# KiCad board Env-F12TKL.kicad_pcb (continued)
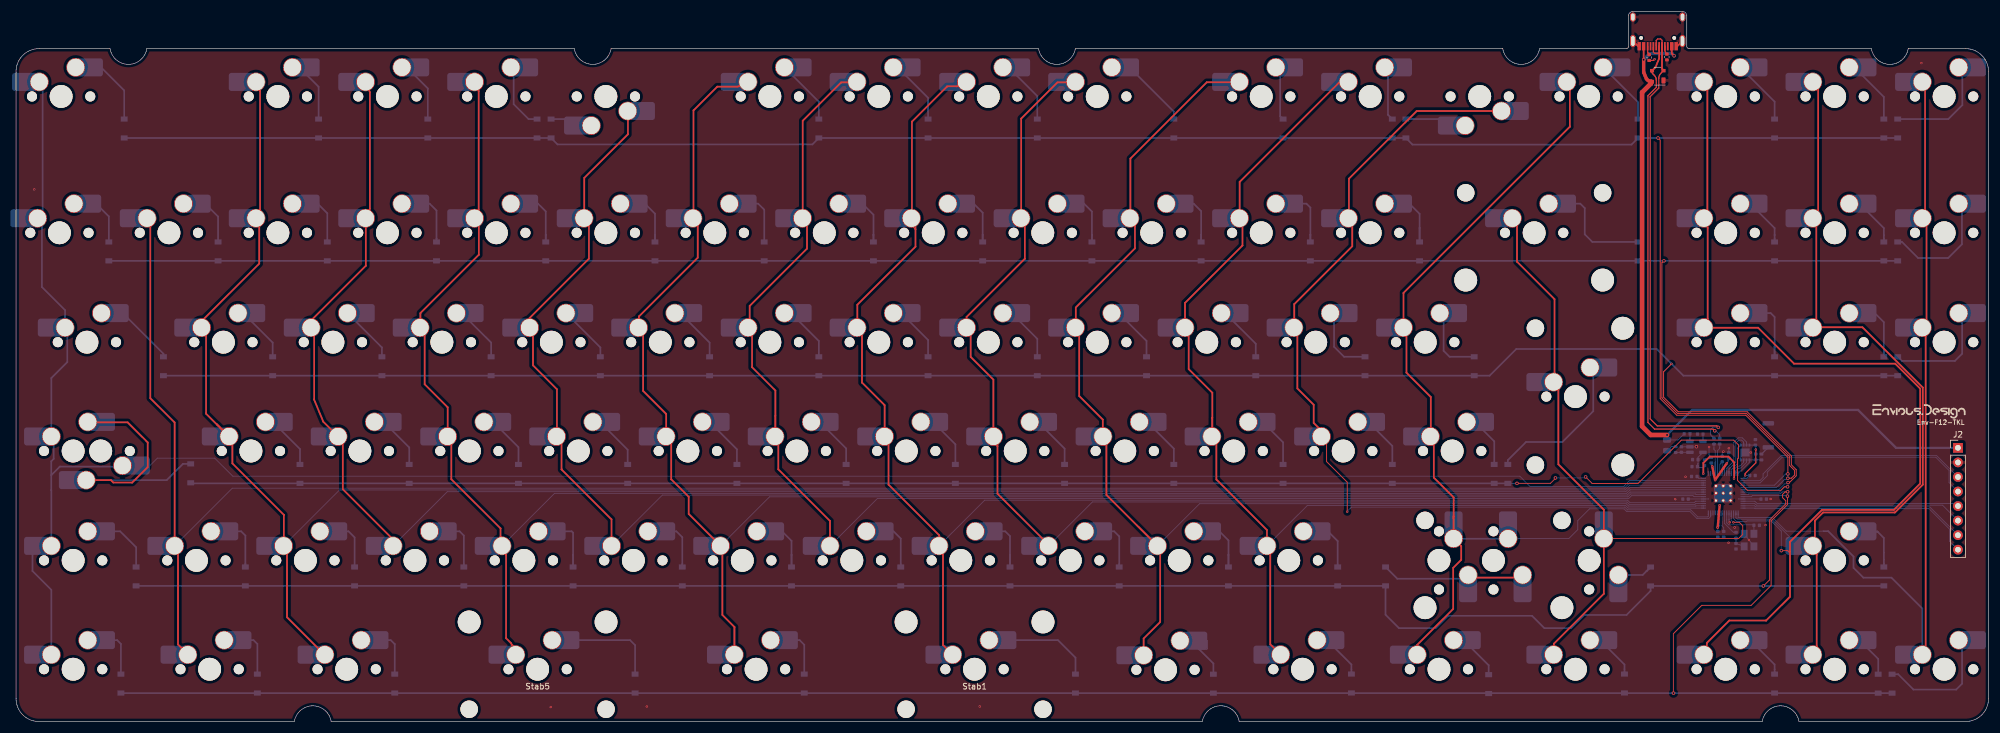
[diagram p0: board, top side]
## Nets (continued)
Net-(D_83-Pad2): D_83.2 K_83.2
Net-(D_84-Pad2): D_84.2 K_84.2
Net-(D_85-Pad2): D_85.2 K_85.2
Net-(D_86-Pad2): D_86.2 K_86.2
Net-(D_87-Pad2): D_87.2 K_87.2
Net-(D_88-Pad2): D_88.2 K_88.2
Net-(D_89-Pad2): D_89.2 K_92.2
Net-(D_90-Pad2): D_90.2 K_90.2
Net-(F1-Pad1): F1.1 FB1.1
Net-(R6-Pad2): R6.2 U2.47
Net-(R7-Pad2): R7.2 U2.46
Net-(R_USB1-Pad2): R_USB1.2 USB1.10
Net-(R_USB2-Pad2): R_USB2.2 USB1.4

Pads without a net: USB1 3 9

## Via types
v1: diameter 0.6, hole 0.35, Top to Bottom, 20 vias
v2: diameter 0.4, hole 0.2, Top to Bottom, 30 vias

## Routing (per net, layer and track width the routed paths; a pad name or vN(x,y) marks a point on that pad's centre or on a via; arc(x,y) is an arc through that point)
3V3_EN: length 2
  Bottom w0.15: 291.93,49.38 291.92,49.36 291.92,49.14 ; 291.93,49.38 291.93,48.92 ; 291.93,49.38 R4.1 ; 291.92,49.13 U1.3 291.92,49.14
+1V1: length 18.6
  Top w0.4: v2(298.37,45.12) v2(296.31,42.16) v2(295.81,44.56) ; v2(297.11,37.76) v2(296.76,33.86)
  Bottom w0.15: U2.45 295.94,44.43 v2(295.81,44.56) 295.66,44.71 C13.1 ; U2.23 297.14,34.23 v2(296.76,33.86) 296.78,33.83 C2.1 ; 298.57,45.57 298.57,45.84 ; 298.57,45.57 298.71,45.71 C3.1 ; 298.57,45.57 298.57,45.31 v2(298.37,45.12) 297.94,44.68 297.94,44.33 U2.50
+3V3: length 42.9
  Top w0.2: v2(303.41,47.48) 303.41,45.16 301.56,43.31 v2(301.56,42.96)
  Top w0.3: v2(299.61,42.43) 299.63,42.46 299.63,45.26 298.63,46.26 295.38,46.26 294.26,45.13 v2(294.26,43.28)
  Bottom w0.15: 303.41,47.97 v2(303.41,47.48) R8.1 ; 303.41,47.97 303.41,48.19 ; 303.41,47.97 303.34,48.04 C14.1 302.29,48.26 FLASH1.8 ; U2.1 301.86,42.46 302.35,42.96 v2(301.56,42.96) ; 293.34,45.07 293.24,44.97 C4.1 ; 293.34,45.07 C11.1 293.34,46.15 293.77,46.58 ; 293.34,45.07 293.34,44.41 293.41,44.33 294.36,44.33 ; 297.54,45.33 297.14,44.93 U2.48 ; 297.54,45.33 U2.49 ; 297.54,45.33 C6.1 ; 301.17,38.86 304.27,38.86 C8.1 ; 301.17,38.86 300.4,38.86 300.38,38.88 ; 301.17,38.86 U2.10 ; 293.77,46.58 U1.5 293.77,46.58 ; 295.18,38.88 295.17,38.86 U2.33 291.67,38.86 C7.1 ; U2.22 297.54,34.16 297.81,33.88 C10.1 ; 293.16,42.78 293.48,42.46 U2.42
GND: length 17.4
  Top w0.2: v2(285.76,115.63) 285.55,115.42 R_USB1.1
  Top w0.3: USB1.13 289.7,117.9 289.52,117.9 ; USB1.12 282.89,117.9 USB1.13
  Bottom w0.15: C6.2 297.56,46.93 v2(297.76,47.13) ; FLASH1.4 300.79,46.23 301.54,46.98 FLASH1.9 302.54,46.98 v2(302.55,46.97) ; Y1.4 v2(302.22,31.7) 303.08,30.58 ; C1.2 291.93,47.97 ; 295.47,45.93 294.73,45.93 C12.2 ; C13.2 295.26,46.52 v2(295.26,47.93) ; 298.71,46.94 v2(298.71,47.73) ; 298.74,35.3 298.74,35.3 ; 298.74,35.3 U2.19 ; 298.74,35.3 298.74,34.93 v2(298.89,34.78)
  vias: v1(293.06,47.98) v2(3.18,92.91) v2(93.26,2.53) v2(110.02,2.62) v2(168.06,2.63) v2(289.36,38.83) v2(291.16,42.73) v2(298.66,31.21) v2(299.71,33.88) v2(305.11,34.31) v2(306.01,38.86) v2(332.3,114.96)
VBUS: length 140.1
  Top w0.15: 285.15,111.73 D18.4
  Top w0.3: USB1.2 288.75,116.64 v1(289.16,116.23) ; USB1.11 283.85,115.54 v1(283.86,115.53)
  Top w0.6: v1(283.86,115.53) 283.86,113.35 284.33,112.21 284.63,111.91 285.06,111.73 285.15,111.73
  Top w0.8: 285.15,111.73 285.2,111.62 285.08,111.35 283.58,109.84 283.58,51.54 285.08,50.03 v1(287.93,50.03)
  Bottom w0.15: v1(287.93,50.03) F1.2 289.84,49.16 R4.2
  Bottom w0.4: v1(287.93,50.03) 292.3,54.4 321.24,54.4 327.86,47.78 J2.1
  Bottom w0.6: v1(289.16,116.23) 288.76,116.63 284.96,116.63 v1(283.86,115.53)
/GPIO0: length 41.2
  Bottom w0.15: U2.2 304.13,42.06 304.69,42.62 304.69,43.24 307.89,46.44 334.93,46.44 J2.3
/GPIO1: length 43.4
  Bottom w0.15: J2.4 337.12,41.71 337.12,43.83 334.81,46.14 308.01,46.14 305.42,43.54 305.42,42.92 304.16,41.66 U2.3
/GPIO8: length 37.8
  Bottom w0.15: J2.5 338.22,38.07 303.64,38.07 303.25,38.46 U2.11
/GPIO9: length 38.7
  Bottom w0.15: J2.6 335.98,37.77 303.52,37.77 303.22,38.06 U2.12
/GPIO10: length 39.6
  Bottom w0.15: U2.13 303.2,37.66 303.39,37.47 333.74,37.47 J2.7
/GPIO11: length 41.7
  Bottom w0.15: U2.14 303.18,37.26 303.27,37.17 333.62,37.17 337.2,33.59 337.2,31.47 J2.8
/QSPI_SCLK: length 8.6
  Bottom w0.15: 298.74,43.7 U2.52 298.74,43.7 ; 298.74,43.7 298.74,44.09 299.91,45.27 299.91,48.58 300.46,49.13 300.96,49.13 301.29,48.8 301.29,48.67 ; 301.29,48.67 301.29,48.53 ; 301.29,48.67 FLASH1.6
/QSPI_SD0: length 5.6
  Bottom w0.15: U2.53 299.14,44 300.26,45.12 300.26,47.73 FLASH1.5
/QSPI_SD1: length 3.8
  Bottom w0.15: 299.94,43.55 299.94,43.81 300.36,44.23 300.77,44.23 301.79,45.25 301.79,45.36 ; 299.94,43.55 U2.55 299.94,43.55 ; 301.79,45.36 301.79,45.47 ; 301.79,45.36 FLASH1.2
/QSPI_SD2: length 3.8
  Bottom w0.15: FLASH1.3 301.29,45.36 301.29,45.36 ; 301.29,45.36 301.29,45.25 300.63,44.58 300.21,44.58 299.54,43.9 299.54,43.6 ; 301.29,45.36 301.29,45.47 ; 299.54,43.6 U2.54 299.54,43.6
/QSPI_SD3: length 9.9
  Bottom w0.15: 298.34,43.74 U2.51 298.34,43.74 ; 298.34,43.74 298.34,44.19 299.56,45.41 299.56,48.73 300.36,49.53 301.06,49.53 301.79,48.8 301.79,48.67 ; 301.79,48.67 FLASH1.7 ; 301.79,48.67 301.79,48.53
/QSPI_SS: length 5.5
  Bottom w0.15: FLASH1.1 302.3,45.68 R8.2 R9.1 ; FLASH1.1 302.29,45.47 ; FLASH1.1 302.29,45.47 302.29,45.47 ; 302.29,45.47 302.29,45.26 U2.56
/USB_D+: length 83.9
  Top w0.15: D18.3 285.31,113.43
  Top w0.2: v1(296.26,50.76) 295.95,51.06 285.75,51.06 284.59,52.23 284.59,109.26 286.06,110.73 286.06,111.95 286.06,112.05 286.03,112.25 285.96,112.44 285.87,112.62 285.75,112.78 285.68,112.86 285.45,113.09 285.41,113.14 285.34,113.25 285.31,113.37 285.31,113.43 ; 286.55,116.67 285.77,116.67 285.55,116.89 USB1.8 ; 286.55,117.23 USB1.6
  Top w0.3: USB1.6 286.55,115.75 285.93,114.25 D18.3
  Bottom w0.15: 297.11,49.95 297.11,49.79 ; 297.11,49.95 R6.1 ; 297.11,49.95 297.11,50.11 296.46,50.76 v1(296.26,50.76)
/USB_D-: length 86.6
  Top w0.15: USB1.5 287.05,118.28 287.06,118.29 ; 287.11,113.92 287.31,113.72 D18.2 287.18,113.5
  Top w0.2: USB1.7 286.05,118.92 286.31,119.18 286.81,119.18 287.06,118.93 287.06,117.9 ; v1(296.86,51.36) 296.6,51.62 286.22,51.62 284.99,52.85 284.99,109.09 286.49,110.59 286.49,112.34 286.52,112.56 286.59,112.77 286.69,112.96 286.82,113.14 286.9,113.22 287.18,113.5
  Top w0.3: 287.18,113.76 287.05,114.08 USB1.5
  Bottom w0.15: R7.1 295.81,49.77 295.81,49.77 ; R7.1 295.81,49.77 ; R7.1 295.81,49.77 ; 295.81,49.77 295.51,50.07 295.51,51.01 295.93,51.43 296.79,51.43 v1(296.86,51.36)
/~{USB_BOOT}: length 2.5
  Bottom w0.15: 304.44,46.7 305.02,47.28 ; 305.02,47.28 J1.1 ; 305.02,47.28 304.99,47.28 R9.2
col0: length 401.6
  Bottom w0.15: U2.41 281.4,42.06 280.37,41.03 264.06,41.03 262.26,42.83 37.8,42.83 34.65,45.98 24.64,45.98 23.35,44.69 K_51.1 ; 4.35,30.67 K_65.1 ; 4.63,110.55 4.05,111.14 K_0.1 ; K_17.1 3.77,87.87 4.51,87.13
  Bottom w0.3: 4.63,111.02 4.63,88.59 3.92,87.87 3.76,87.87 ; K_65.1 6.15,40.39 6.13,40.41 6.13,43.01 ; 4.51,87.11 4.51,75.86 8.55,71.82 K_34.1 8.93,68.39 8.93,62.76 6.15,59.97 K_52.1 6.56,49.36 6.56,45.86 6.13,45.43 6.13,43.01 ; 4.51,87.11 4.51,87.13 ; 4.51,87.11 K_17.1 ; 6.13,43.01 7.63,44.51 18.38,44.51 K_51.1 ; 4.35,30.67 2.86,29.18 2.86,26.28 6.15,22.99 K_79.1
col1: length 351.6
  Top w0.15: 28.11,29.55 28.11,30.51 27.66,30.97 ; K_18.1 22.85,87.08 22.89,87.04 ; 30.01,11.7 29.98,11.67 K_80.1 ; 27.66,30.81 27.65,30.8 K_66.1
  Top w0.3: 28.11,29.55 28.23,29.43 28.23,13.47 30.01,11.7 ; 27.66,30.65 27.66,52.21 23.41,56.46 23.41,86.52 22.89,87.04 22.89,87.8
  Bottom w0.15: K_66.1 37.71,40.73 280.49,40.73 281.42,41.66 U2.40
col2: length 371.3
  Top w0.15: K_53.1 37.73,49.19 37.73,49.14 ; K_67.1 46.67,30.65 46.71,30.65 46.71,29.87 46.71,29.86 ; 42.25,88.54 41.85,88.14 K_19.1 ; 32.42,68.52 32.35,68.6 K_35.1 ; 42.25,110.86 41.85,111.26 K_1.1 ; K_81.1 53.82,11.64
  Top w0.3: 41.94,111.61 42.56,110.12 42.56,89.28 41.94,87.8 ; 46.71,30.65 46.71,36.09 37.73,45.06 37.73,49.14 ; 32.35,68.68 32.42,68.75 32.42,69.96 42.41,79.95 42.41,86.67 ; 32.42,68.74 32.42,68.52 33.13,67.81 33.13,53.74 35.01,51.87 ; 42.41,86.67 41.85,87.23 K_19.1 ; 42.41,86.67 42.41,87.06 ; 35.01,51.87 36.63,50.25 ; 35.01,51.87 35.05,51.87 K_53.1 ; 53.82,11.64 47.26,18.2 47.26,29.31 46.71,29.86 46.71,30.64
  Bottom w0.15: K_67.1 56.41,40.43 280.62,40.43 281.45,41.26 U2.39
col3: length 325.2
  Top w0.15: 56.98,48.56 56.23,49.32 56.23,49.7 ; K_36.1 51.64,68.96 51.68,68.96 ; 60.99,111.61 60.99,111.63 K_2.1 ; 51.98,68.23 51.98,68.45 51.58,68.85 ; K_20.1 60.95,87.84 60.99,87.8 60.99,87.04 61,87.04 ; K_54.1 56.15,49.77
  Top w0.3: 60.99,87.8 61.71,89.53 61.71,109.87 60.99,111.61 ; 56.23,49.7 56.15,49.77 53.58,52.35 51.98,56.2 51.98,68.23 ; 51.47,68.75 51.68,68.96 51.68,70.26 61,79.57 61,87.79 ; 56.98,48.94 56.98,40.56 65.76,31.79 65.76,30.67 K_68.1
  Bottom w0.15: K_68.1 75.21,40.13 280.74,40.13 281.47,40.86 U2.38
col4: length 329.5
  Top w0.15: 80.04,111.61 79.98,111.67 K_3.1 ; K_5.1 87.15,12.86 86.32,13.68 ; 80.71,86.71 80.04,87.37 80.04,87.8 79.97,87.87 K_21.1 ; 70.52,68.85 71.26,68.11 71.26,68.01 ; 84.81,30.65 84.78,30.67 K_69.1 84.75,32.03 84.49,32.28 ; 70.52,68.8 70.48,68.8 K_37.1 ; 75.28,50.58 75.28,49.8 K_55.1 75.25,49.28 75.91,48.62
  Top w0.3: 84.81,31.53 84.49,32.28 84.49,33.72 75.91,42.31 75.91,49.07 ; 80.71,87.13 80.71,81.51 70.52,71.32 70.52,68.75 ; 75.28,50.58 75.28,54.86 71.26,58.88 71.26,68.01 ; 87.19,11.59 86.32,13.68 85.46,14.55 85.46,29.07 84.81,30.65 ; 80.04,111.61 80.68,110.05 80.68,89.35 80.04,87.8
  Bottom w0.15: U2.37 281.49,40.46 280.86,39.83 93.91,39.83 K_69.1
col5: length 288.2
  Top w0.15: K_4.1 106.71,106.55 106.71,106.53 ; 95.13,48.89 95.13,49.43 94.33,50.24 ; K_22.1 99.05,87.84 99.09,87.8 99.09,87.45 99.91,86.63 ; K_38.1 89.55,68.94 89.57,68.96 ; K_56.1 94.25,49.89 94.33,49.97 ; 103.86,31.84 103.85,31.83 K_70.1 ; 90.16,68.16 90.16,68.58 89.57,69.17
  Top w0.3: 99.91,86.98 99.91,80.81 89.57,70.47 89.57,68.75 ; 103.86,31.84 103.86,30.65 ; 94.33,49.7 94.33,58.01 90.16,62.18 90.16,68.16 ; 99.09,87.8 99.09,94.92 106.71,102.53 106.71,106.53 ; 95.13,48.89 95.13,44.01 103.85,35.29 K_70.1
  Bottom w0.15: K_70.1 112.71,39.53 280.99,39.53 281.52,40.06 U2.36
col6: length 302.4
  Top w0.15: 125.82,110.85 126.82,110.85 K_6.1 ; 125.3,16.49 125.25,16.44 K_82.1 ; K_39.1 108.57,68.75 108.62,68.75 108.62,68.75 109.36,68.01 ; 118.14,87.92 118.1,87.92 K_23.1 ; 113.38,51.2 113.35,51.17 K_57.1 113.35,49.41 114.26,48.5 ; 118.88,87.06 118.88,87.31 118.14,88.05 ; K_71.1 122.87,30.69
  Top w0.3: 118.88,87.06 118.88,80.98 108.62,70.72 108.62,68.75 ; 118.14,87.92 118.14,106.69 122.3,110.85 125.82,110.85 127.67,111.61 ; 125.3,11.6 125.3,16.49 123.18,18.61 123.18,30.37 122.87,30.69 117.31,36.24 117.31,39.24 114.26,42.29 114.26,48.82 ; 113.38,49.7 113.38,53.71 109.36,57.73 109.36,68.01
  Bottom w0.15: U2.35 292.98,39.66 292.9,39.74 281.62,39.74 281.11,39.23 131.41,39.23 K_71.1
col7: length 259.4
  Top w0.15: 128.36,68.06 128.36,68.06 K_40.1 127.65,69.9 127.95,70.2 ; 146.68,111.59 146.68,111.64 K_7.1 ; 132.43,53.45 132.35,53.37 K_58.1 ; 137.93,86.67 137.19,87.41 137.19,87.8 137.15,87.84 K_24.1 ; 132.93,49.19 132.43,49.7 ; K_72.1 141.95,32.01 141.96,32.01
  Top w0.3: 137.19,87.8 137.19,104.89 143.9,111.59 146.68,111.59 ; 137.93,87.06 137.93,82.56 127.95,72.57 127.95,70.2 127.67,69.53 ; 132.93,49.19 132.93,44.03 141.96,35.01 141.96,30.65 ; 132.43,49.7 132.43,57.79 128.36,61.86 128.36,68.06
  Bottom w0.15: U2.34 292.63,39.26 292.45,39.44 281.74,39.44 281.24,38.93 150.21,38.93 K_72.1
col8: length 257.4
  Top w0.15: 156.86,85.94 156.24,86.55 156.24,87.8 156.22,87.8 K_25.1 ; 160.98,30.67 160.98,31.94 161.01,31.97 ; 160.98,30.67 161.01,30.65 ; 160.98,30.67 K_73.1 ; 152.16,48.6 151.48,49.28 151.48,49.7 151.45,49.73 K_59.1 ; 147.53,67.93 146.72,68.75 146.72,68.75 146.67,68.75 K_41.1 ; 164.08,110.91 164.99,110.91 K_8.1
  Top w0.3: 146.72,68.75 146.72,72.77 156.86,82.91 156.86,87.18 ; 152.16,49.02 152.16,41.36 161.01,32.51 161.01,31.97 ; 147.53,67.93 147.53,59.18 151.48,55.24 151.48,49.7 ; K_92.1 161.66,13.36 161.66,29.07 161.01,30.65 ; 165.77,111.61 164.08,110.91 162.41,110.91 156.24,104.74 156.24,87.8
  Bottom w0.15: U2.32 292.92,38.46 292.67,38.21 281.48,38.21 281.06,38.63 168.91,38.63 K_73.1
col9: length 218.8
  Top w0.15: K_26.1 175.27,87.86 175.29,87.86 ; 180.06,31.61 180.05,31.61 K_74.1 ; 175.93,87.15 175.29,87.79 175.29,87.8 ; K_9.1 184.78,111.64 184.78,111.59 ; 165.77,68.97 165.75,68.95 K_42.1 166.48,68.04 166.48,68.03 ; K_60.1 170.45,48.77 171.16,48.06
  Top w0.3: 184.78,111.59 181.62,111.59 175.29,105.27 175.29,87.8 ; 180.06,31.61 180.06,30.65 ; 171.16,49.07 171.16,49.06 ; 171.16,49.06 171.16,39.78 180.05,30.89 K_74.1 ; 171.16,49.06 K_60.1 170.45,59.69 166.48,63.66 166.48,68.03 ; 165.77,68.97 165.77,70.64 175.93,80.81 175.93,87.16
  Bottom w0.15: K_74.1 187.71,38.33 280.93,38.33 281.35,37.91 292.8,37.91 292.95,38.06 U2.31
col10: length 232.4
  Top w0.15: 184.82,69.96 184.79,69.93 184.79,68.77 ; 212.35,111.61 212.41,111.67 K_10.1 ; K_75.1 199.05,30.7 195.46,34.29 ; 189.58,49.7 190.16,49.12 ; 184.79,68.77 185.41,68.16 ; 184.79,68.77 K_43.1 ; K_27.1 194.32,87.8 194.34,87.8 194.34,87.43 195.13,86.64 ; K_61.1 189.53,49.75
  Top w0.2: 199.11,30.65 195.46,34.29
  Top w0.3: 185.41,68.16 185.41,56.83 189.53,52.71 189.53,49.75 189.58,49.7 ; K_91.1 196.65,14.5 199.53,17.38 199.53,30.22 199.11,30.65 ; 190.16,49.12 190.16,39.56 K_75.1 ; 194.34,87.8 194.34,98.29 207.66,111.61 212.35,111.61 ; 195.13,87.01 195.13,82.61 184.82,72.29 184.82,69.96
  Bottom w0.15: U2.30 292.97,37.66 292.92,37.61 281.23,37.61 280.81,38.03 206.41,38.03 K_75.1
col11: length 206.8
  Top w0.15: 208.63,53.06 208.55,52.98 K_62.1 ; 213.88,86.79 213.39,87.28 213.39,87.8 213.35,87.84 K_28.1 ; K_11.1 232.38,111.64 232.38,111.59 ; K_44.1 203.85,68.77 203.87,68.75 203.87,68.28 204.51,67.64 ; 209.33,48.99 208.63,49.7 ; 218.76,29.56 218.15,30.17 K_76.1 218.15,31.9 218.16,31.9
  Top w0.3: 232.38,111.59 230.77,111.59 213.39,94.22 213.39,87.8 ; 204.51,68.11 204.51,61.53 208.63,57.41 208.63,49.7 ; 218.76,30.04 218.76,29.56 218.73,29.54 218.73,13.49 K_83.1 ; 218.16,31.9 218.16,30.65 ; K_76.1 218.15,33.44 209.33,42.26 209.33,48.99 ; 213.88,87.31 213.88,83.11 203.87,73.09 203.87,68.75
  Bottom w0.15: U2.29 281.15,37.26 280.68,37.73 225.21,37.73 K_76.1
col12: length 163.9
  Top w0.15: K_45.1 222.87,68.79 ; 222.87,68.79 223.46,68.21 ; 222.87,68.79 222.92,68.84 222.92,69.57 ; v2(232.16,36.63) 232.16,41.78 228.56,45.38 228.56,48.86 K_63.1 227.65,50.73 227.68,50.76 ; 233.03,87.18 232.45,87.76 232.45,87.82 232.41,87.87 K_29.1
  Top w0.3: 222.92,69.57 222.92,72.87 233.03,82.98 233.03,87.21 ; 227.68,49.7 227.68,50.76 226.31,52.13 226.31,55.31 223.46,58.16 223.46,68.21 ; 232.44,87.8 232.45,87.82 232.45,94.78 242.46,104.78 244.27,106.59 K_12.1
  Bottom w0.15: v2(232.16,36.63) 232.16,36.68 232.91,37.43 280.56,37.43 281.03,36.96 292.05,36.96 293.28,35.73 295.01,35.73 295.14,35.86 U2.28
col13: length 174.1
  Top w0.15: K_64.1 246.72,49.7 246.73,49.7 247.26,49.17 247.26,48.42 ; K_46.1 241.95,68.77 241.97,68.75 241.97,68.22 242.48,67.71 ; K_89.1 250.7,35.5 250.72,35.52 ; K_13.1 270.48,111.67 270.54,111.61
  Top w0.3: 250.72,35.84 250.72,39.12 247.26,42.58 247.26,48.42 ; 250.72,35.84 250.72,35.52 ; 250.72,35.84 250.7,35.82 K_89.1 252.03,30.61 252.03,28.23 250.63,26.83 250.63,19.66 244.35,13.37 K_84.1 ; 270.54,111.61 270.98,111.17 270.98,103.86 241.97,74.84 241.97,68.75 ; 242.48,68.23 242.48,60.91 246.73,56.66 246.73,49.7
  Bottom w0.15: K_89.1 250.72,31.92 250.72,31.9 ; 260.16,31.9 K_77.1 270.8,31.94 272.36,33.5 272.36,35.08 274.41,37.13 280.43,37.13 280.9,36.66 291.93,36.66 293.16,35.43 295.19,35.43 295.54,35.78 U2.27
  Bottom w0.2: 295.54,35.99 U2.27
  Bottom w0.3: 260.19,31.9 250.72,31.9
col14: length 117
  Top w0.15: 261.76,87.06 261.76,87.06 K_30.1 ; 268.19,11.65 268.17,11.67 K_85.1 ; v2(299.51,34.78) 300.53,34.78 301.13,34.18 301.13,32.67 300.4,31.94 K_90.1 276.9,31.92 276.91,31.91
  Top w0.3: 261.76,87.06 261.76,80.29 268.31,73.74 268.31,59.43 K_47.1 268.98,58.44 268.98,44.91 276.91,36.98 276.91,22.31 268.19,13.59 268.19,11.65
  Bottom w0.15: v2(299.51,34.78) 299.14,35.16 U2.18
  Bottom w0.2: 299.14,35.79 U2.18
col15: length 175.3
  Top w0.15: K_31.1 294.37,87.87 294.38,87.86 ; K_48.1 294.46,68.88 294.68,68.88 294.68,69.54 294.69,69.55 ; 294.36,111.61 294.36,111.67 K_14.1 ; 294.87,12.84 294.87,12.19 K_86.1 ; 309.37,29.62 309.19,29.62 308.98,29.84 v1(307.86,29.84)
  Top w0.3: 294.87,12.84 294.87,13.72 298.78,17.63 305.21,17.63 309.37,21.79 309.37,31.37 314.96,36.96 327.5,36.96 332.08,41.54 332.08,58.12 327.72,62.48 310.08,62.48 303.81,68.76 294.81,68.76 294.68,68.88 ; 294.36,68.75 295.02,70.35 295.02,86.19 294.36,87.8 294.38,87.86 294.97,89.28 294.97,110.13 294.36,111.61
  Bottom w0.15: v1(307.86,29.84) 307.86,29.83 307.86,33.26 306.09,35.03 301.91,35.03 301.78,34.91 300.08,34.91 299.54,35.46 U2.17
  Bottom w0.2: 299.54,36.03 U2.17
col16: length 147.7
  Top w0.15: 313.96,69.46 313.61,69.11 313.61,68.83 313.41,68.83 K_49.1 ; 313.96,87.24 313.96,87.26 313.42,87.81 ; K_78.1 313.35,30.26 313.72,29.89 ; 314.28,110.41 313.35,111.34 K_15.1 ; K_87.1 313.39,11.67 313.42,11.64 ; 313.42,87.81 314.28,88.68 ; 313.42,87.81 K_32.1
  Top w0.3: 313.42,11.64 314.03,13.11 314.03,29.13 313.72,29.89 313.72,35.08 315.15,36.51 327.68,36.51 332.53,41.36 332.53,58.31 322.01,68.83 313.61,68.83 ; 313.96,69.3 313.96,87.24 ; 314.28,110.73 314.28,88.68
  Bottom w0.15: K_78.1 310.87,30.67 306.21,35.33 300.21,35.33 299.94,35.61 U2.16
  Bottom w0.2: 299.94,36.15 299.94,36.15 U2.16
col17: length 150
  Top w0.15: 332.93,110.29 332.45,110.78 K_16.1 ; 332.75,68.05 332.45,68.34 K_50.1 332.48,68.77 333.18,69.48 ; 332.93,88.95 332.93,88.36 K_33.1 332.45,87.41 333.18,86.68
  Top w0.3: 333.18,69.48 333.18,87.07 ; 332.46,68.75 332.75,68.05 333.03,67.35 333.03,12.99 ; 332.93,110.51 332.93,88.95
  Bottom w0.15: U2.15 300.34,35.66 300.36,35.63 306.33,35.63 308.73,33.24 315.24,33.24
  Bottom w0.3: 315.24,33.24 316.03,33.24 320.46,28.81 320.46,26.83 322.17,25.12 327.07,25.12 332.45,19.74 K_88.1
row0: length 394.9
  Top w0.15: v1(309.01,43.23) 309.01,46.13 301.66,53.48 289.64,53.48 286.73,56.38 286.73,101.51 v1(286.36,101.88)
  Bottom w0.15: U2.4 306.67,41.26 308.63,43.23 v1(309.01,43.23)
  Bottom w0.2: 301.17,41.26 U2.4
  Bottom w0.3: D_0.1 D_1.1 D_2.1 D_3.1 D_4.1 94.43,100.76 138.88,100.76 D_6.1 D_7.1 D_8.1 D_9.1 D_10.1 D_11.1 D_12.1 243.53,100.73 281.73,100.73 D_13.1 v1(286.36,101.88) D_14.1 D_15.1 D_16.1
row1: length 376
  Top w0.15: v1(287.38,80.43) 287.03,80.08 287.03,56.51 289.76,53.78 301.78,53.78 309.31,46.25 309.31,44.7 310.16,43.86 310.16,43.03 309.61,42.48 v1(309,42.48)
  Bottom w0.15: v1(309,42.48) 308.78,42.25 308.41,42.25 307.02,40.86 U2.5
  Bottom w0.2: 301.17,40.86 U2.5
  Bottom w0.3: D_17.1 D_18.1 D_19.1 D_20.1 D_21.1 D_22.1 D_23.1 D_24.1 D_25.1 D_26.1 D_27.1 D_28.1 D_29.1 D_30.1 v1(287.38,80.43) D_31.1 D_32.1 D_33.1
row2: length 353.4
  Top w0.15: v1(309.04,41.72) 309.28,41.72 310.46,42.91 310.46,43.98 309.61,44.83 309.61,46.38 301.91,54.08 289.89,54.08 289.65,54.32 287.33,56.63 287.33,61.08 v2(288.71,62.46)
  Bottom w0.15: v1(309.04,41.72) 308.82,41.5 308.43,41.5 307.39,40.46 U2.6
  Bottom w0.2: 301.17,40.46 U2.6
  Bottom w0.3: D_34.1 D_35.1 D_36.1 D_37.1 D_38.1 D_39.1 D_40.1 D_41.1 D_42.1 D_43.1 D_44.1 D_45.1 D_46.1 256.98,60.38 261.64,65.04 286.12,65.04 v2(288.71,62.46) 290.78,60.38 D_48.1 D_49.1 D_50.1
row3: length 298.6
  Top w0.15: v1(261.76,41.58) 267.58,41.58 268.46,42.46 v1(268.46,42.53) ; v1(308.95,40.98) 308.38,40.98 307.73,40.33 301.98,40.33 300.23,42.08 300.23,45.83 300.38,45.98 300.38,48.31 299.56,49.13 290.43,49.13 282.86,41.56 274.88,41.56 v1(273.73,42.71)
  Bottom w0.15: v1(268.46,42.53) 273.56,42.53 v1(273.73,42.71) ; U2.7 307.54,40.06 308.46,40.98 v1(308.95,40.98) ; D_51.1 30.56,41.58 ; D_47.1 v1(261.76,41.58)
  Bottom w0.2: 301.17,40.06 U2.7
  Bottom w0.3: 30.56,41.58 D_53.1 D_54.1 D_55.1 D_56.1 D_57.1 D_58.1 D_59.1 D_60.1 D_61.1 D_62.1 D_63.1 D_64.1 D_47.1
row4: length 343.4
  Top w0.15: v1(304.72,23.67) 304.75,23.67 305.78,24.71 305.78,35.16 308.63,38.01 308.63,38.53 308.08,39.08 308.08,39.66 308.53,40.11 v1(308.97,40.11)
  Bottom w0.15: v1(308.97,40.11) 308.01,40.11 307.66,39.76 307.65,39.76 302.22,39.76 302.12,39.66 U2.8 ; 238.84,23.34 238.84,23.68 ; 325.74,23.68 325.73,23.67
  Bottom w0.2: 301.17,39.66 U2.8
  Bottom w0.3: 238.84,23.68 D_77.1 ; 238.84,23.68 238.84,18.65 241.18,16.31 247.58,16.31 249.73,18.46 264.38,18.46 266.53,16.31 271.18,16.31 273.48,18.61 280.86,18.61 285.06,22.81 D_90.1 v1(304.72,23.67) 325.73,23.67 ; 238.84,23.68 D_76.1 D_75.1 D_74.1 D_73.1 D_72.1 D_71.1 D_70.1 D_69.1 D_68.1 D_67.1 D_66.1 D_65.1 ; 325.74,23.68 D_78.1
row5: length 364.9
  Top w0.15: v1(289.06,4.96) 289.03,4.93 289.03,15.33 293.98,20.28 302.61,20.28 306.08,23.76 306.08,35.03 308.93,37.88 v1(308.93,39.36)
  Bottom w0.15: 208.82,4.96 D_52.1 ; U2.9 302.64,39.26 302.84,39.46 307.53,39.46 307.54,39.46 308.83,39.46 v1(308.93,39.36) ; D_86.1 306.69,4.96 ; 256.82,4.89 256.82,4.96 ; 42.06,4.96 D_80.1 ; 232.88,4.96 D_83.1 ; 137.48,4.96 D_82.1 ; D_79.1 18.31,4.96 ; 107.98,4.96 D_5.1 ; 184.78,4.96 D_89.1 ; 280.51,4.96 D_85.1 ; 66.06,4.96 D_81.1
  Bottom w0.2: 301.17,39.26 U2.9
  Bottom w0.3: 232.88,4.97 D_83.1 ; D_88.1 D_87.1 v1(289.06,4.96) 18.31,4.96 ; 280.51,4.97 D_85.1
XIN: length 8.7
  Bottom w0.15: 303.08,32.78 303.08,33.32 303.08,33.33 ; 303.08,33.33 C15.2 302.98,34.36 298.68,34.36 298.34,34.7 298.34,35.21 U2.20 ; 303.08,33.33 303.08,32.79
XOUT: length 4.5
  Bottom w0.15: R1.1 299.5,33.04 297.94,34.61 297.94,35.06 297.94,35.06 U2.21
Net-(C1-Pad1): length 2.5
  Bottom w0.15: U1.1 C1.1 290.4,46.97 FB1.2
Net-(C16-Pad2): length 2.4
  Bottom w0.15: R1.2 C16.2 Y1.3
Net-(CBP1-Pad1): length 1.9
  Bottom w0.15: CBP1.1 294.21,49.36 ; 294.21,49.36 294.21,48.92 ; 294.21,49.36 294.2,49.34 294.2,49.13 ; 294.2,49.13 294.2,49.12 U1.4 294.2,49.13
Net-(D_0-Pad2): length 15.1
  Bottom w0.3: D_0.2 18.86,110.18 14.83,114.21 K_0.2
Net-(D_1-Pad2): length 11.6
  Bottom w0.3: D_1.2 52.76,110.83 49.38,114.21 K_1.2
Net-(D_2-Pad2): length 11.4
  Bottom w0.3: K_2.2 68.13,114.21 71.81,110.53 D_2.2
Net-(D_3-Pad2): length 11.8
  Bottom w0.3: D_3.2 89.38,105.18 86.78,107.78 86.78,113.73 K_3.2
Net-(D_4-Pad2): length 7.5
  Bottom w0.3: K_4.2 99.19,105.18 D_4.2
Net-(D_5-Pad2): length 24.4
  Bottom w0.15: K_5.2 95.3,14.21 96.2,13.31 97.32,13.31
  Bottom w0.3: 95.34,14.13 97.32,13.31 ; D_5.2 107.96,13.33 107.08,14.21 95.3,14.21
Net-(D_6-Pad2): length 11.5
  Bottom w0.3: K_6.2 140,108.21 D_6.2
Net-(D_7-Pad2): length 12
  Bottom w0.3: K_7.2 153.73,114.21 159.05,108.89 D_7.2
Net-(D_8-Pad2): length 12.1
  Bottom w0.3: D_8.2 178.1,109.19 173.08,114.21 K_8.2
Net-(D_9-Pad2): length 15.3
  Bottom w0.3: K_9.2 194.18,114.21 201.92,106.48 D_9.2
Net-(D_10-Pad2): length 9.6
  Bottom w0.3: K_10.2 220.46,113.45 220.46,105.69 D_10.2
Net-(D_11-Pad2): length 9.6
  Bottom w0.3: D_11.2 239.26,105.94 239.26,113.65 K_11.2
Net-(D_12-Pad2): length 10.8
  Bottom w0.3: D_12.2 251.59,105.18 K_12.2
Net-(D_13-Pad2): length 11.5
  Bottom w0.3: D_13.2 282.88,108.13 K_13.2
Net-(D_14-Pad2): length 11.5
  Bottom w0.3: D_14.2 306.69,108.22 K_14.2
Net-(D_15-Pad2): length 12
  Bottom w0.3: K_15.2 320.58,114.21 325.74,109.05 D_15.2
Net-(D_16-Pad2): length 19.1
  Bottom w0.3: K_16.2 339.43,113.58 339.43,107.63 336.98,105.18 D_16.2
Net-(D_17-Pad2): length 11.5
  Bottom w0.3: K_17.2 13.95,90.41 16.18,88.19 D_17.2
Net-(D_18-Pad2): length 11.4
  Bottom w0.15: 31,90.41 K_18.2
  Bottom w0.3: 31,90.41 32.98,90.41 35.23,88.16 D_18.2
Net-(D_19-Pad2): length 11.8
  Bottom w0.15: 50,90.41 K_19.2
  Bottom w0.3: 50,90.41 52.6,90.41 54.28,88.74 D_19.2
Net-(D_20-Pad2): length 12.6
  Bottom w0.15: D_20.2 73.33,84.34 ; K_20.2 69.1,90.41
  Bottom w0.3: 73.33,83.74 D_20.2 73.33,83.74 ; 73.33,83.74 73.33,89.21 72.13,90.41 69.1,90.41
Net-(D_21-Pad2): length 13.2
  Bottom w0.15: K_21.2 88.1,90.41
  Bottom w0.3: D_21.2 92.38,84.98 92.38,84.98 ; 92.38,84.98 92.38,89.06 91.03,90.41 88.1,90.41 ; 92.38,84.98 92.38,83.73
Net-(D_22-Pad2): length 12.9
  Bottom w0.15: K_22.2 107.2,90.41
  Bottom w0.3: 111.43,84.98 111.43,88.66 109.68,90.41 107.2,90.41 ; 111.43,84.98 D_22.2 111.43,84.98
Net-(D_23-Pad2): length 13
  Bottom w0.15: K_23.2 124.42,90.41 124.49,90.34 ; 130.48,83.89 130.48,83.73 ; 126.2,90.41 125.31,89.52
  Bottom w0.3: 130.48,83.74 130.48,83.73 ; 130.48,83.74 D_23.2 ; 130.48,83.74 130.48,89.36 129.43,90.41 126.2,90.41 ; 124.49,90.34 125.31,89.52
Net-(D_24-Pad2): length 12.8
  Bottom w0.3: 149.53,84.98 149.53,88.49 147.6,90.41 K_24.2 ; 149.53,84.98 D_24.2 149.53,84.98
Net-(D_25-Pad2): length 13.1
  Bottom w0.3: 168.58,84.98 168.58,88.84 167,90.41 K_25.2 ; 168.58,84.98 168.58,83.73 ; 168.58,84.98 168.58,84.98 D_25.2
Net-(D_26-Pad2): length 13.1
  Bottom w0.15: 183.4,90.41 K_26.2
  Bottom w0.3: 183.4,90.41 186.25,90.41 187.63,89.04 187.63,84.98 ; 187.63,84.98 D_26.2 187.63,84.98
Net-(D_27-Pad2): length 13.2
  Bottom w0.15: 202.4,90.41 K_27.2
  Bottom w0.3: 206.68,83.73 206.68,84.98 ; 206.68,84.98 206.68,84.98 D_27.2 ; 206.68,84.98 206.68,89.11 205.38,90.41 202.4,90.41
Net-(D_28-Pad2): length 13.6
  Bottom w0.15: 221.5,90.41 K_28.2
  Bottom w0.3: 225.73,84.98 D_28.2 225.73,84.98 ; 225.73,84.98 225.73,89.74 225.05,90.41 221.5,90.41
Net-(D_29-Pad2): length 16
  Bottom w0.15: K_29.2 240.5,90.41
  Bottom w0.3: D_29.2 244.78,86.18 244.78,86.19 ; 244.78,86.19 244.78,88.64 243,90.41 K_29.2 ; 244.78,86.19 244.78,83.73
Net-(D_30-Pad2): length 21.7
  Bottom w0.15: 269.1,90.41 268.82,90.13 268.82,89.74 ; K_30.2 267.37,90.34 267.37,90.34
  Bottom w0.3: D_30.2 274.91,83.73 273.58,85.06 273.58,89.63 272.8,90.41 269.1,90.41 ; 267.37,90.34 268.82,89.74
Net-(D_31-Pad2): length 11.4
  Bottom w0.15: 306.69,84.94 D_31.2 ; 302.51,90.34 302.5,90.34 302.5,90.41 K_31.2
  Bottom w0.3: 306.69,83.75 D_31.2 306.69,83.75 ; 306.69,83.75 306.69,86.15 302.51,90.34
Net-(D_32-Pad2): length 11.5
  Bottom w0.15: 325.74,83.73 325.74,84.94 ; 321.56,90.34 321.5,90.39 321.5,90.41 K_32.2
  Bottom w0.3: 325.74,83.74 325.74,86.15 321.56,90.34 ; 325.74,83.74 D_32.2 ; 325.74,83.74 325.74,83.73
Net-(D_33-Pad2): length 20.7
  Bottom w0.3: D_33.2 328.91,83.73 331.71,80.93 336.96,80.93 339.36,83.33 339.36,89.85 K_33.2
Net-(D_34-Pad2): length 14.3
  Bottom w0.3: D_34.2 25.7,64.21 18.6,71.31 K_34.2
Net-(D_35-Pad2): length 10.7
  Bottom w0.15: K_35.2 39.6,71.31
  Bottom w0.3: D_35.2 44.75,66.16 39.6,71.31
Net-(D_36-Pad2): length 10.1
  Bottom w0.3: K_36.2 63.8,65.31 D_36.2
Net-(D_37-Pad2): length 10.7
  Bottom w0.15: 77.7,71.31 K_37.2
  Bottom w0.3: D_37.2 82.85,66.16 77.7,71.31
Net-(D_38-Pad2): length 10.1
  Bottom w0.3: K_38.2 101.9,65.31 D_38.2
Net-(D_39-Pad2): length 10.7
  Bottom w0.15: 115.8,71.31 K_39.2
  Bottom w0.3: 115.8,71.31 120.95,66.16 D_39.2
Net-(D_40-Pad2): length 10.8
  Bottom w0.3: D_40.2 140,66.44 135.13,71.31 K_40.2
Net-(D_41-Pad2): length 10.9
  Bottom w0.3: D_41.2 159.05,66.61 154.35,71.31 K_41.2
Net-(D_42-Pad2): length 11
  Bottom w0.3: K_42.2 173.6,71.31 178.1,66.81 D_42.2
Net-(D_43-Pad2): length 10.8
  Bottom w0.3: K_43.2 192.28,71.31 197.15,66.44 D_43.2
Net-(D_44-Pad2): length 10.5
  Bottom w0.3: D_44.2 216.2,65.96 210.85,71.31 K_44.2
Net-(D_45-Pad2): length 12.6
  Bottom w0.15: 229.86,70.4 229.2,71.06 K_45.2
  Bottom w0.3: D_45.2 231.61,63.68 229.86,65.43 229.86,70.7
Net-(D_46-Pad2): length 12.8
  Bottom w0.15: 248.96,70.65 248.96,70.98 248.63,70.98 K_46.2
  Bottom w0.3: 248.96,70.65 248.96,64.73 250.01,63.68 D_46.2
Net-(D_47-Pad2): length 28.7
  Bottom w0.15: 276.3,61.77 276.3,61.81 ; 275.65,61.12 275.19,61.12 K_47.2
  Bottom w0.3: 275.42,61.12 275.06,60.77 275.06,54.18 269.68,48.81 263.34,48.81 260.17,45.63 D_47.2 ; 275.65,61.12 276.3,61.77
Net-(D_48-Pad2): length 14.9
  Bottom w0.15: 302.5,71.31 K_48.2
  Bottom w0.3: 302.5,71.31 306,71.31 306.69,70.63 306.69,65.4 ; 306.69,65.4 D_48.2 306.69,65.4 306.69,65.4
Net-(D_49-Pad2): length 13.6
  Bottom w0.15: 325.74,64.54 325.74,63.68 ; 321.5,71.31 K_49.2
  Bottom w0.3: 325.74,63.68 325.74,63.7 ; 325.74,63.7 D_49.2 ; 325.74,63.7 325.74,69.73 324.15,71.31 321.5,71.31
